# Allegro board HY_MWYT_3S12_V10A.brd (continued)
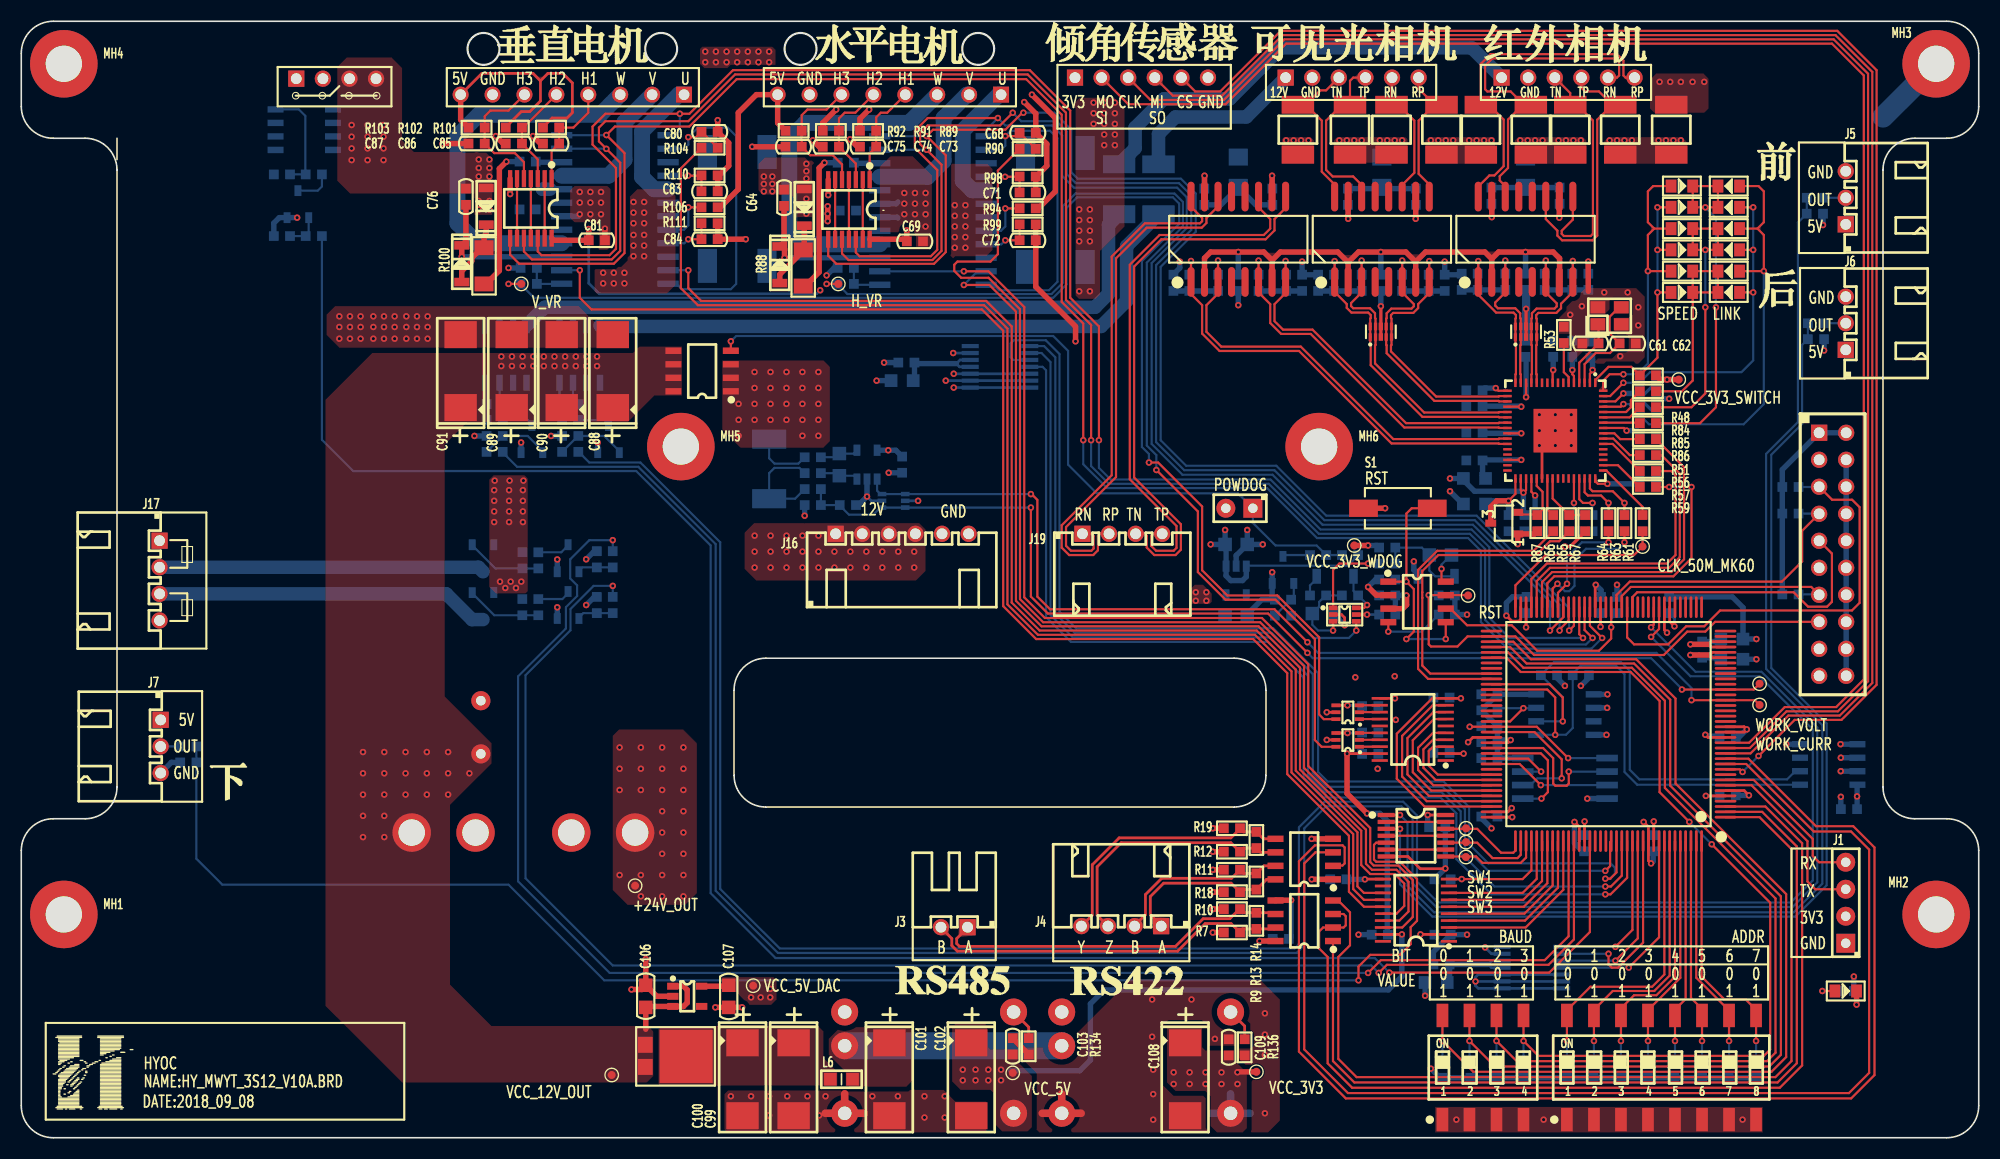
[diagram p0: board, top side]
## Routing (per net, layer and track width the routed paths; a pad name or vN(x,y) marks a point on that pad's centre or on a via; arc(x,y) is an arc through that point) (continued)
T_TXN: length 52.6
  TOP w0.203: T3.9 118.84,87.44 117.81,86.4 117.81,85.33 116.97,84.49 107.17,84.49 104.61,81.93 104.61,62.09 109,57.7 109,55.3 108.5,54.8 106.5,54.8 105.8,55.5 105.8,56.6 105.59,56.8 J19.3
T_TXP: length 51.3
  TOP w0.203: J19.4 106.41,56.8 106.2,56.6 106.2,55.67 106.67,55.21 108.33,55.21 108.59,55.47 108.59,57.53 104.2,61.93 104.2,82.1 107,84.9 116.8,84.9 117.4,85.5 117.4,86.4 116.31,87.5 T3.11
TXN1: length 15.1
  TOP w0.203: U15.12 142.45,71.78 142.4,71.83 142.4,74.52 142.45,74.56 U52.5 U52.6 142.45,77.03 142.4,77.08 142.4,77.37 142.61,77.57 144.3,77.57 144.74,78.01 144.74,78.44 145.84,79.55 T1.8 v1(145.84,82.45)
  BOTTOM w0.203: R62.2 145.84,81.31 v1(145.84,82.45)
TXN2: length 28.3
  TOP w0.203: v1(123.45,82.44) T2.1 123.45,79.55 124.59,78.41 124.59,78.04 125.03,77.6 126.61,77.6 126.85,77.37 126.85,77.08 126.8,77.03 U53.10 U53.1 126.8,74.56 126.85,74.52 126.85,72.65 131.7,67.8 138.87,67.8 138.91,67.75 U15.22
  BOTTOM w0.203: R68.2 123.45,81.22 v1(123.45,82.44)
TXN3: length 33.3
  TOP w0.203: U15.23 138.91,67.25 138.87,67.2 130.17,67.2 121.37,76 118.6,76 117.81,76.79 117.81,78.4 118.84,79.44 T3.8 v1(118.84,82.45)
  BOTTOM w0.203: R79.2 118.84,81.22 v1(118.84,82.45)
TXP1: length 15.2
  TOP w0.203: U15.13 141.95,71.78 142,71.83 142,74.52 141.95,74.56 U52.4 U52.7 141.95,77.03 142,77.08 142,77.54 142.44,77.98 144.13,77.98 144.33,78.18 144.33,78.47 143.31,79.5 T1.6 v1(143.31,82.5)
  BOTTOM w0.203: v1(143.31,82.5) 143.31,81.37 R58.2
TXP2: length 27.7
  TOP w0.203: U15.21 138.91,68.25 138.87,68.2 131.87,68.2 127.25,72.82 127.25,74.52 127.3,74.56 U53.2 U53.9 127.3,77.03 127.25,77.08 127.25,77.54 126.78,78.01 125.2,78.01 125,78.21 125,78.5 126,79.5 T2.3 v1(126,82.5)
  BOTTOM w0.203: v1(126,82.5) 126,81.17 R70.2
TXP3: length 34
  TOP w0.203: v1(116.31,82.5) T3.6 116.31,79.5 117.4,78.4 117.4,76.63 118.43,75.59 121.21,75.59 130,66.8 138.87,66.8 138.91,66.75 U15.24
  BOTTOM w0.203: v1(116.31,82.5) 116.31,81.17 R77.2
UART1_RD#: length 93.6
  TOP w0.203: U2.3 163.95,31.15 167.4,27.7 167.4,6.8 165.3,4.7 125.1,4.7 122.8,7 122.8,17 122,17.8 122,19.4 122.37,19.77 U8.2 124.3,19.77 124.5,19.97 124.5,20.84 124.3,21.04 U8.3
UART1_RX: length 84.9
  TOP w0.203: U2.2 163.64,30.65 166.9,27.39 166.9,7.01 165.09,5.2 125.31,5.2 123.3,7.21 U8.1
UART1_TX: length 87.6
  TOP w0.203: U8.4 123.79,22.31 124.9,21.2 124.9,18.1 123.8,17 123.8,7.41 125.51,5.7 164.89,5.7 166.4,7.21 166.4,27.15 163.4,30.15 U2.1
UART3_RX: length 15.4
  TOP w0.203: U2.8 162.85,33.65 168.4,28.1 168.4,26.5 168.99,25.91 J1.4
UART3_TX: length 17.6
  TOP w0.203: J1.3 168.63,23.37 167.9,24.1 167.9,27.89 162.64,33.15 U2.7
UART5_RX: length 121.3
  TOP w0.203: U9.2 123.33,25.6 124.2,25.6 124.4,25.8 124.4,27.3 124.2,27.5 121.6,27.5 120.1,26 120.1,8.1 124.5,3.7 172.01,3.7 174.2,5.89 174.2,27.3 172.2,29.3 168.7,29.3 162.35,35.65 U2.12
UART5_TX: length 114
  TOP w0.203: U2.11 162.14,35.15 168.49,28.8 172,28.8 173.7,27.1 173.7,6.1 171.8,4.2 124.71,4.2 120.6,8.31 120.6,25.79 121.65,26.84 U9.3
V_BRK: length 127.3
  TOP w0.203: U1.15 126.21,21.73 124.8,23.14 124.8,28.4 119,34.2 119,43.7 115.8,46.9 95.4,46.9 92.3,50 92.3,75.9 90.3,77.9 53.6,77.9 52.5,79 v1(52.5,81.58)
  BOTTOM w0.203: U21.14 v1(52.5,81.58)
V_DIAG: length 32.3
  TOP w0.203: R104.2 63.96,94.6 C80.1 63.44,94.1 v1(62.7,94.1)
  BOTTOM w0.203: U21.12 61.59,80.31 62.1,79.8 66.7,79.8 67.2,80.3 67.2,94.2 66.4,95 63.6,95 v1(62.7,94.1) 62.7,93.4 62.31,93.02 U21.2
V_EN: length 127.6
  TOP w0.203: R104.1 62,91.16 62,79.9 63.6,78.3 90.5,78.3 92.7,76.1 92.7,50.16 95.56,47.3 115.96,47.3 119.4,43.86 119.4,34.36 125.2,28.56 125.2,23.39 126.21,22.38 U1.14
V_ENCODER_CLK: length 101.8
  TOP w0.203: v1(148.9,23.63) 149.43,23.63 150.45,24.65 U2.129
  BOTTOM w0.203: v1(148.9,23.63) 138.47,23.63 135.3,26.8 135.3,30.7 133.5,32.5 122.55,32.5 120.95,34.1 120.95,43.45 117.35,47.05 98.85,47.05 96.75,49.15 96.75,72.95 95.9,73.8 U55.2
V_ENCODER_CSN: length 99.2
  TOP w0.203: U2.127 149.35,27.8 149.35,25.55 v1(148.9,25.1)
  BOTTOM w0.203: U55.1 96.15,74.45 97.2,73.4 97.2,49.3 99,47.5 117.5,47.5 121.4,43.6 121.4,34.3 122.7,33 133.6,33 135.7,30.9 135.7,27.3 137.9,25.1 v1(148.9,25.1)
V_ENCODER_MISO: length 108.3
  TOP w0.203: v1(148.9,24.36) 149.36,24.36 149.95,24.95 U2.128
  BOTTOM w0.203: U55.3 93.25,73.15 93,73.4 93,74.7 93.3,75 96.3,75 97.6,73.7 97.6,49.46 99.15,47.9 117.7,47.9 121.9,43.7 121.9,34.4 122.8,33.5 133.7,33.5 136.1,31.1 136.1,27.6 137.9,25.8 149.4,25.8 149.8,25.4 149.8,24.8 149.36,24.36 v1(148.9,24.36)
V_ENCODER_MOSI: length 102.4
  TOP w0.203: v1(148.9,22.89) 149.39,22.89 150.95,24.45 U2.130
  BOTTOM w0.203: v1(148.9,22.89) 138.21,22.89 134.9,26.2 134.9,30.5 133.4,32 122.43,32 120.53,33.9 120.53,43.27 117.17,46.63 98.67,46.63 96.33,48.97 96.33,72.17 96,72.5 U55.4
V_F/R: length 116.2
  TOP w0.203: U1.13 126.21,23.02 125.6,23.64 125.6,28.73 119.8,34.53 119.8,44.03 116.13,47.7 95.73,47.7 93.1,50.33 93.1,76.3 90.7,78.7 63.9,78.7 62.7,79.9 v1(62.7,81.58)
  BOTTOM w0.203: U21.11 v1(62.7,81.58)
V_H1: length 166.7
  TOP w0.203: U22.12 48.55,83.35 48.9,83 55.3,83 55.9,83.6 55.9,91.2 53.7,93.4 53.7,95.1 54.9,96.3 v1(61.9,96.3) 62.8,96.3 66.9,100.4 94.8,100.4 98.6,96.6 98.6,79 101.3,76.3 v1(101.3,65.6) ; U2.60 146.45,47.35 v1(146.8,47)
  BOTTOM w0.203: U21.1 61.48,94.28 61.9,94.7 v1(61.9,96.3) ; v1(146.8,47) 139.9,47 138,48.9 138,55.53 136.33,57.2 122.13,57.2 117.43,61.9 102.4,61.9 101.3,63 v1(101.3,65.6)
V_H2: length 170.7
  TOP w0.203: v1(100.56,65.6) 100.56,76.44 98.2,78.8 98.2,96.4 94.6,100 67.1,100 62.7,95.6 54.9,95.6 54.3,95 54.3,93.7 v1(55,93) 56.3,91.7 56.3,83.4 55.5,82.6 48,82.6 47.25,83.35 U22.10 ; v1(147.7,47) 146.95,47.75 U2.59
  BOTTOM w0.203: v1(147.7,47) 147.09,46.39 139.91,46.39 137.6,48.7 137.6,55.37 136.17,56.8 121.97,56.8 117.27,61.5 102.23,61.5 100.56,63.17 v1(100.56,65.6) ; U21.23 54.88,93.02 54.9,93 v1(55,93)
V_H3: length 172.8
  TOP w0.203: v1(148.6,47) 147.45,48.15 U2.58 ; v1(99.83,65.6) 99.83,76.57 97.8,78.6 97.8,96.22 94.46,99.55 67.25,99.55 62.8,95.1 55.8,95.1 v1(55,94.3) 56.7,92.6 56.7,83.2 55.7,82.2 46.8,82.2 45.95,83.05 U22.8
  BOTTOM w0.203: v1(99.83,65.6) 99.83,63.34 102.07,61.1 117.1,61.1 121.8,56.4 136,56.4 137.2,55.2 137.2,48.5 139.7,46 147.6,46 v1(148.6,47) ; v1(55,94.3) 54.98,94.28 U21.24
V_MOTOR_U: length 12.6
  BOTTOM w1.5: J15.1 61.8,98.1 58.35,94.65 58.35,90.35 59.49,89.2 U21.5
V_MOTOR_V: length 13.7
  BOTTOM w1.5: J15.2 56.7,95.5 56.7,91.97 55.2,90.47 U21.21
V_MOTOR_W: length 35.7
  BOTTOM w1.5: J15.3 54.4,96.2 43,96.2 41,94.2 41,86 42.88,84.12 U21.16
V_VR: length 134.6
  TOP w0.203: U5.6 122.44,39.37 122,39.8 122,47.07 118.07,51 113.37,51 111,53.37 111,59.37 106.87,63.5 v1(106,63.5) ; v1(45.8,80.3) TP2.1
  BOTTOM w0.203: v1(45.8,80.3) R108.1 46.94,80.26 48.21,78.99 96.99,78.99 98.26,80.25 98.26,87.45 99.25,88.44 108.25,88.44 108.84,87.86 108.84,85.94 105.34,82.44 105.34,64.96 106,64.3 v1(106,63.5)
VERT_H1: length 10.1
  TOP w0.203: U22.1 49.85,92.79 C85.1 R101.2 51.9,95 53.3,96.4 J15.4
VERT_H2: length 9.9
  TOP w0.203: J15.5 47.2,95 R102.2 C86.1 48.55,92.01 U22.3
VERT_H3: length 13.1
  TOP w0.203: J15.6 45.8,96.6 44.1,96.6 43.56,96.06 R103.2 C87.1 44.46,92.6 46.4,92.6 47.25,91.75 U22.5
W25B_CLK: length 13.4
  TOP w0.203: v1(144.8,33.8) 144.8,35.59 142.24,38.15 U2.92
  BOTTOM w0.203: U7.6 141.87,33.16 142.5,33.8 v1(144.8,33.8)
W25B_CS#: length 15.2
  TOP w0.203: v1(136.15,38.65) U2.91 142.46,38.65 v1(145.41,35.7)
  BOTTOM w0.203: R8.2 137.19,38.65 v1(136.15,38.65) ; U7.1 v1(145.41,35.7)
W25B_DI: length 11.2
  TOP w0.203: U2.96 142.84,36.15 143.5,35.49 143.5,32.5 v1(142.9,31.89)
  BOTTOM w0.203: 141.14,31.89 v1(142.9,31.89)
W25B_DO: length 15
  TOP w0.203: U2.95 143.05,36.65 144,35.7 144,33.3 144.2,33.1 145.26,33.1 145.47,33.3 v1(145.47,34.44)
  BOTTOM w0.203: 149.06,34.44 v1(145.47,34.44)
W25B_HOLD#: length 6.9
  TOP w0.203: U2.97 141.65,35.65 v1(142.87,34.44)
  BOTTOM w0.203: 141.14,34.44 v1(142.87,34.44)
W25B_WP#: length 11.7
  TOP w0.203: U2.98 140.85,35.15 v1(142.84,33.16)
  BOTTOM w0.203: U7.3 v1(142.84,33.16)
WDI_INPUT_A: length 22.2
  TOP w0.203: U2.54 v1(149.45,48) 149.45,46.95 148.3,45.8 142.5,45.8 140.1,48.2 135.9,48.2 134.34,49.76 U12.6
  BOTTOM w0.203: v1(149.45,48) 149.45,48.79 R22.2
WORK_CURR: length 98.4
  TOP w0.203: v1(120.9,46.6) 117.8,49.7 96.7,49.7 95.51,50.89 95.51,59.99 94.97,60.53 v1(94.9,60.53) ; v1(157,41.15) U2.23 162.95,41.15 TP9.1
  BOTTOM w0.203: v1(120.9,46.6) 121.9,45.6 153.7,45.6 157,42.3 v1(157,41.15) ; v1(94.9,60.53) U24.4 U24.3 80.77,60.53 80.45,60.85 U23.1
WORK_VOLT: length 102.7
  TOP w0.203: v1(94.9,59.27) 94.9,50.9 96.5,49.3 117.2,49.3 v1(120.9,45.6) ; v1(156.1,42.15) U2.25 162.85,42.15 TP10.1
  BOTTOM w0.203: v1(156.1,42.15) 156.1,42.2 153.2,45.1 121.4,45.1 v1(120.9,45.6) ; R119.1 R124.2 C94.1 76.94,59.46 77.8,58.6 80.1,58.6 80.77,59.27 U24.1 U24.6 v1(94.9,59.27)
XTAL_IN: length 10.2
  TOP w0.203: U15.3 146.95,72.75 148,73.8 149.34,73.8 C62.2 149.3,75.64 149.3,77.2 150.2,78.1 X1.3
XTAL_OUT: length 6.3
  TOP w0.203: U15.4 146.45,72.89 C61.2 148.26,76.44 X1.1
N11711860: length 20.4
  BOTTOM w2.54: U26.2 U48.2
N11712694: length 2.6
  TOP w0.203: v1(169.3,13.8) D22.1
  BOTTOM w0.203: R135.1 v1(169.3,13.8)
N11722110: length 3.8
  BOTTOM w0.203: Q2.1 119.62,50.85 R33.2 119.34,50.6 R31.2
N11722176: length 7.8
  TOP w0.203: v1(123.31,47.7) 123.31,48.56
  BOTTOM w0.203: R35.2 R30.2 122.6,51 122,50.4 122,49.94 C28.1 121.36,48.24 121.9,47.7 v1(123.31,47.7)
N11722192: length 4.3
  TOP w0.203: U13.6 126.23,49.84 v1(126.5,50.1)
  BOTTOM w0.203: 125.23,52.8 125.23,51.44 R35.1 126.5,50.16 v1(126.5,50.1)
N11722284: length 9
  BOTTOM w0.203: R26.2 R27.2 131.66,55.5 C25.2 132.36,53.34 132.9,52.8 D1.1
N11722392: length 74.1
  TOP w0.203: Q1.4 v1(66.7,74.9)
  BOTTOM w0.203: R25.2 R28.1 121.76,55.7 117.9,55.7 115.77,57.83 J8.1 114.37,60.6 101.1,60.6 98.4,63.3 98.4,74 97,75.4 67.2,75.4 v1(66.7,74.9)
N11722646: length 8.1
  TOP w0.203: v1(126.6,54) 123.9,54 123.31,53.41 U13.1
  BOTTOM w0.203: v1(126.6,54) R26.1
N11722728: length 23.1
  TOP w0.203: v1(130.2,52.3) 130.2,58.7 130.7,59.2 S1.2 ; v1(130.2,52.3) U12.1 ; v1(130.2,52.3) 130.9,51.6 130.9,47.6 v1(130.2,46.9) ; U12.5 v1(133.9,46.9)
  BOTTOM w0.203: R23.2 129.36,52.3 v1(130.2,52.3) ; v1(133.9,46.9) v1(130.2,46.9)
N11767334: length 2.1
  BOTTOM w0.203: R30.1 121.14,51.94 121.77,52.57 D2.2
N11931140: length 7.8
  BOTTOM w0.508: R74.2 112.76,87.74 C46.2 116.04,87.74 R78.2
N11931232: length 6.4
  BOTTOM w0.508: R55.2 141.38,89.36 C36.2 141.42,89.36 R60.2
N11931330: length 3.3
  TOP w0.508: T1.10 v1(144.57,86.53)
  BOTTOM w0.508: R60.1 144.57,87.81 v1(144.57,86.53)
N11931334: length 3.2
  TOP w0.508: T1.15 v1(138.22,86.58)
  BOTTOM w0.508: v1(138.22,86.58) 138.22,87.81 R55.1
N11931416: length 6.5
  BOTTOM w0.508: R73.2 128.02,89.26 C42.2 127.78,89.26 R69.2
N11931578: length 3.4
  TOP w0.508: T2.10 v1(131.07,86.42)
  BOTTOM w0.508: R73.1 131.07,87.71 v1(131.07,86.42)
N11931582: length 3.4
  TOP w0.508: 124.72,88.51 v1(124.72,86.42)
  BOTTOM w0.508: v1(124.72,86.42) 124.72,87.71 R69.1
N11932264: length 3.2
  TOP w0.508: T3.10 v1(117.58,90.47)
  BOTTOM w0.508: R78.1 117.58,89.29 v1(117.58,90.47)
N11932268: length 3.2
  TOP w0.508: 111.22,88.51 v1(111.22,90.47)
  BOTTOM w0.508: R74.1 111.22,89.29 v1(111.22,90.47)
N12115512: length 8.2
  TOP w0.203: v1(125.49,47.7) 125.49,48.56
  BOTTOM w0.203: v1(125.49,47.7) 124.79,47 121.46,47 R31.1
N16627096: length 3.1
  TOP w0.254: U26.4 94.7,10.4 R134.2
N16779903: length 6.3
  TOP w0.203: U12.4 v1(128.5,47.6)
  BOTTOM w0.203: v1(128.5,47.6) 131.64,47.6 R24.2
N16910912: length 3.9
  TOP w0.203: R53.2 145,72 145.45,71.55 U15.6
N16915241: length 4.1
  BOTTOM w0.508: C32.1 R50.1 R52.1
N16915682: length 4.1
  BOTTOM w0.508: C33.1 R62.1 R58.1
N16919612: length 4.1
  BOTTOM w0.508: C37.1 R68.1 R70.1
N16919861: length 4
  BOTTOM w0.508: R71.1 R75.1 C38.1
N16921046: length 4.2
  BOTTOM w0.508: R76.1 R72.1 C39.1
N16921083: length 4.1
  BOTTOM w0.508: C43.1 R79.1 R77.1
N16962540: length 20.9
  TOP w0.203: D8.2 157.12,71.22 156.1,70.2 R84.2 ; D8.2 D7.2 D13.2 D14.2 D8.2 ; D8.2 157.1,79.48
N16962542: length 27.4
  TOP w0.203: v1(158.3,78.1) 158.3,70 157,68.7 R85.2 ; D11.2 D5.2 D6.2 v1(158.3,83.5) D12.2 D11.2
  BOTTOM w0.203: v1(158.3,78.1) v1(158.3,83.5)
N16962544: length 34.2
  TOP w0.203: R86.2 157.8,67.2 159.3,68.7 v1(159.3,78.1) ; D9.2 D3.2 D4.2 v1(158.3,87.5) D10.2 D9.2
  BOTTOM w0.203: v1(158.3,87.5) 159.3,86.5 v1(159.3,78.1)
N16985345: length 3.7
  BOTTOM w0.203: U23.4 78.24,64.34 C93.2 76.56,64 R115.1
N16985349: length 3.6
  BOTTOM w0.203: U23.3 78.24,62.26 C93.1 76.66,62.5 R114.1
N17031352: length 1.9
  TOP w0.203: U4.1 125.79,36.77 U3.18
N17031354: length 1.9
  TOP w0.203: U4.2 125.79,37.42 U3.17
N17031356: length 1.9
  TOP w0.203: U4.3 125.79,38.08 127.7,38.08
N17031358: length 1.9
  TOP w0.203: U5.1 125.79,39.38 U3.14
N17031360: length 1.9
  TOP w0.203: U5.2 125.79,40.02 U3.13
N17031362: length 1.9
  TOP w0.203: U5.3 125.79,40.67 U3.12
N17036272: length 117.7
  TOP w0.203: U14.1 v1(129.6,30.35)
  BOTTOM w0.203: v1(129.6,30.35) 130.3,29.65 130.3,23.7 132.8,21.2 166.6,21.2 169.3,23.9 169.3,38.8 164.02,44.08 164.02,64.32 167,67.3 167,86.06 C29.1 R29.2
N17036274: length 105.5
  TOP w0.203: U14.3 v1(129.6,29.05)
  BOTTOM w0.203: v1(129.6,29.05) 129.6,23.83 132.63,20.8 166.77,20.8 169.7,23.73 169.7,38.97 164.5,44.17 164.5,64.23 167.4,67.13 167.4,74.56 C30.1 R32.2
N17036284: length 145.4
  TOP w0.203: v1(125.7,14.8) 125.7,16.1 126.8,17.2 129.6,17.2 130.6,18.2 130.6,19.8 131.2,20.4 131.2,24.33 129.58,25.96 127.36,25.96 127.16,26.16 127.16,27.55 127.36,27.75 U14.5
  BOTTOM w0.203: v1(125.7,14.8) 54.8,14.8 45.8,23.8 18.9,23.8 16.46,26.24 C31.1 R34.2
N17036342: length 5.6
  TOP w0.203: U14.13 U14.2
N17036352: length 5.6
  TOP w0.203: U14.4 U14.11
N17036362: length 5.6
  TOP w0.203: U14.9 U14.6
N17099824: length 3.4
  BOTTOM w0.203: R129.1 R131.2 52.74,53.64 52.42,53.32 Q13.1
N17100065: length 7.2
  BOTTOM w0.203: R127.2 R125.1 44.56,53.54 42.38,55.72 Q7.1
N17100313: length 3.4
  BOTTOM w0.203: R130.1 R132.2 52.84,49.34 52.42,48.92 Q14.1
N17100347: length 7.1
  BOTTOM w0.203: Q8.1 42.38,51.22 44.46,49.14 R126.1 R128.2
N17116006: length 4.6
  TOP w0.203: C71.1 R98.1 93.81,90.38 v1(92.47,90.38)
  BOTTOM w0.203: U19.4 v1(92.47,90.38)
N17116022: length 4.8
  TOP w0.203: v1(92.5,84.4) C72.1 R99.1
  BOTTOM w0.203: U19.9 92.12,84.03 v1(92.5,84.4)
N17116036: length 14.3
  TOP w0.508: v1(71.75,82.75) 71.75,83.57 71.49,83.83 D15.2 71.7,84.23 C64.1
  BOTTOM w0.508: U19.15 v1(71.75,82.75)
N17116160: length 6.4
  TOP w0.508: D15.1 71.3,81.2 73.5,83.4 R88.2 73.6,83.6 D16.2
N17116166: length 2.5
  BOTTOM w0.508: C67.2 78.32,91.64 80.7,91.64
N17116214: length 5
  TOP w0.203: v1(92.5,87.4) R94.2
  BOTTOM w0.203: v1(92.5,87.4) 92.5,85.7 92.09,85.3 U19.8
N17116366: length 4
  BOTTOM w0.203: U19.13 78.35,80.22 R96.2 C70.1
N17116407: length 5.6
  TOP w0.203: U20.13 U20.2
N17116421: length 5.6
  TOP w0.203: U20.11 U20.4
N17116431: length 5.6
  TOP w0.203: U20.9 U20.6
N17123231: length 4.6
  TOP w0.203: C83.1 R110.1 63.91,90.47 v1(62.67,90.47)
  BOTTOM w0.203: U21.4 v1(62.67,90.47)
N17123235: length 4.8
  TOP w0.203: R111.1 C84.1 v1(62.7,84.5)
  BOTTOM w0.203: U21.9 62.33,84.12 v1(62.7,84.5)
N17123241: length 14.4
  TOP w0.508: v1(41.4,82.86) 41.4,83.93 41.8,84.33 C76.1
  BOTTOM w0.508: 50.8,82.86 v1(41.4,82.86)
N17123333: length 6.5
  TOP w0.508: D18.2 43.7,84.98 43.5,84.78 R100.2 43.31,83.7 42.34,82.73 42.34,82.44 41.4,81.5 D17.1
N17123339: length 2.5
  BOTTOM w0.508: C79.2 48.42,91.75 U21.22
N17123383: length 5
  TOP w0.203: v1(62.7,87.5) R106.2
  BOTTOM w0.203: U21.8 62.3,85.39 62.7,85.8 v1(62.7,87.5)
N17123476: length 3.8
  BOTTOM w0.203: U21.13 50.78,80.3 R108.2 C82.1
N17123541: length 5.6
  TOP w0.203: U22.13 U22.2
N17123555: length 5.6
  TOP w0.203: U22.11 U22.4
N17123565: length 5.6
  TOP w0.203: U22.9 U22.6
N17144203: length 3.1
  BOTTOM w0.203: Q13.3 51.4,55.7 50.76,55.06 R127.1
N17144234: length 3.2
  BOTTOM w0.203: R128.1 50.86,50.66 51.4,51.2 Q14.3
N17149648: length 2.6
  BOTTOM w0.203: R28.2 118.73,54.8 Q2.3
N17182830: length 3.1
  TOP w0.254: U48.4 115,10.5 R136.2
N17192056: length 10
  BOTTOM w0.203: Q12.4 26.09,96.71 26.7,96.1 26.7,90.64 R140.1 R139.2
N17192076: length 3.6
  BOTTOM w0.203: R140.2 28.26,89.46 27.87,89.07 Q11.3
N17192110: length 3.3
  BOTTOM w0.203: Q11.1 27.02,85.08 R141.2 R137.2
N17193783: length 59.9
  BOTTOM w1.27: Q3.8 54.5,76.3 101.5,76.3 103.9,78.7 103.9,83.85 F1.1
N17193809: length 63.8
  BOTTOM w1.27: F2.1 102.2,85.85 102.2,79.37 100.93,78.1 49.2,78.1 Q4.8
N17193901: length 3.6
  BOTTOM w0.203: R116.2 R112.1 50.84,69.19 50.59,69.43 Q3.4
N17193907: length 3.5
  BOTTOM w0.203: R117.2 R113.1 43.69,69.05 Q4.4
N17193973: length 3.1
  BOTTOM w0.203: R116.1 54.8,67.5 55.2,67.1 Q5.3
N17193975: length 3
  BOTTOM w0.203: Q6.3 48,67.1 47.6,67.5 R117.1
N17194039: length 6.7
  BOTTOM w0.203: R120.1 52.34,66 R122.2 54.8,66 56.22,64.58 Q5.1
N17194047: length 6.6
  BOTTOM w0.203: R121.1 45.24,66 R123.2 47.6,66 49.02,64.58 Q6.1
N17210525: length 8.3
  BOTTOM w0.254: U54.12 138.25,16.65 137.9,16.3 138.2,16 U54.11
  BOTTOM w0.508: 137.9,16.3 C110.2 134.26,14.82 L8.1
N17212104: length 8.6
  BOTTOM w0.254: U55.11 88.2,72.5 87.9,72.8 88.25,73.15 U55.12
  BOTTOM w0.508: L9.1 83.96,71.32 C111.2 84.06,72.8 87.9,72.8
N171161460: length 13.8
  TOP w0.508: v1(75.5,91.7) 75,91.2 75,81.41 73.69,80.1 R88.1
  BOTTOM w0.508: C67.1 v1(75.5,91.7)
N171233290: length 13.7
  TOP w0.508: v1(45.6,91.8) 44.94,91.14 44.94,81.55 43.69,80.3 R100.1
  BOTTOM w0.508: C79.1 v1(45.6,91.8)

## Copper pours and planes (outline as drawn; the poured copper is in the pictures)
+24V_OUT on TOP: 55.6,37.8 55.6,23.3 57,21.9 62.4,21.9 63.5,23 63.5,37.1 62.2,38.4 56.2,38.4
+24V_OUT on TOP: 44.4,62.3 47.3,62.3 47.6,62 47.6,51.4 47.4,51.2 44.6,51.2 44,51.8 44,61.9
+24V_OUT on BOTTOM: 57,21.9 62,21.9 63.1,23 63.1,56.5 57.3,62.3 26.3,62.3 22.9,65.7 22.9,88.6 24.2,89.9 24.2,91.5 24.9,92.2 24.9,95.8 22.7,95.8 22.3,96.2 22.3,97.8 22.5,98 28.4,98 29.1,98.7 29.1,101 28.5,101.6 19.7,101.6 17.8,99.7 17.8,63.1 23.3,57.6 43.5,57.6 44,57.1 44,55.2 44.6,54.6 47.6,54.6 47.6,57.1 48.1,57.6 52.8,57.6 55.6,54.8 55.6,23.3
+24V_OUT on BOTTOM: 44,50.7 44,52.3 44.6,52.9 47.2,52.9 47.5,52.6 47.5,50.2 44.5,50.2
GND on TOP: 85.6,83.8 85.6,90.5 83.8,92.3 81.7,92.3 80.7,91.3 80.7,84.7 81.6,83.8
GND on TOP: 66.5,4.5 86.7,4.5 87.8,3.4 90.7,3.4 90.7,0.5 66.4,0.5 66.1,0.8 66.1,4.1
GND on TOP: 153.5,96.4 158.2,96.4 158.6,96.8 158.6,99.6 158.1,100.1 153.7,100.1 153.1,99.5 153.1,96.8
GND on TOP: 94.4,8.5 97.9,8.5 104.3,14.9 116.4,14.9 118.3,13 118.3,1.6 117.2,0.5 95.7,0.5 95.4,0.8 95.4,6.1 94.2,7.3 94.2,8.3
GND on TOP: 99.5,97.8 103.1,97.8 103.7,97.2 103.7,85.7 101.4,83.4 101.4,79.3 101,78.9 99.3,78.9 98.9,79.3 98.9,97.2
GND on TOP: 144.55,73.45 144.55,77.45 147,79.9 151.8,79.9 152.6,79.1 152.6,73.4 152,72.8 145.2,72.8
GND on TOP: 57.1,74.3 29.9,74.3 28.7,75.5 28.7,77.4 29.5,78.2 52.4,78.2 53.9,76.7 57.1,76.7
GND on TOP: 54.1,79.4 60.7,79.4 61.6,80.3 61.6,88.5 60.9,89.2 57.9,89.2 57,88.3 57,82.5 56.4,81.9 54.2,81.9 53.9,81.6 53.9,79.6
GND on TOP: 64,102.6 70.6,102.6 70.9,102.3 70.9,100.9 70.6,100.6 64.2,100.6 63.8,101 63.8,102.4
GND on TOP: 87.5,91.6 90.8,91.6 91.3,91.1 91.3,83.5 90.5,82.7 87.6,82.7 87.1,83.2 87.1,91.2
GND on TOP: 132.9,2.9 132.9,0.5 163.7,0.5 163.7,2.9
GND on TOP: 52,89.5 55.1,89.5 55.5,89.1 55.5,83.8 55,83.3 54.5,83.3 54.3,83.5 54.3,85.7 53.9,86.1 52,86.1 51.6,86.5 51.6,89.1
GND on BOTTOM: 137.1,44 123.8,44 122.4,42.6 122.4,35.3 123.6,34.1 137.2,34.1 137.7,34.6 137.7,43.4
GND on BOTTOM: 29.5,78.2 38.7,78.2 39.1,77.8 39.1,74.5 38.9,74.3 29.6,74.3 28.9,75 28.9,77.6
GND on BOTTOM: 47.9,87.8 49.3,87.8 49.8,88.3 50.6,88.3 51.9,89.6 57.8,89.6 59.1,88.3 61.8,88.3 61.9,88.2 61.9,85.9 59.2,85.9 59.1,85.8 59.1,80.3 58.6,79.8 54.6,79.8 52.1,82.3 52.1,86.3 51.8,86.6 48.1,86.6 47.9,86.8
GND on BOTTOM: 99.1,91 103.6,91 105.1,92.5 105.1,96.7 104,97.8 99.7,97.8 99.1,97.2
GND on BOTTOM: 137.5,75.7 150.4,75.7 151.9,74.2 151.9,69 154.6,66.3 154.6,57.5 153.7,56.6 142.7,56.6 142.7,56.5 141.5,55.3 140.4,55.3 135.2,60.5 135.2,73.4
GND on BOTTOM: 99.6,88 100.9,88 101.4,87.5 101.4,79.8 100.6,79 99.4,79 98.7,79.7 98.7,87.1
GND on BOTTOM: 68.1,79.6 70.6,79.6 71,80 71,87 69.4,88.6 69.4,90.7 69.7,91 71,91 71,102 70.4,102.6 64,102.6 63.5,102.1 63.5,98.8 67.5,94.8 67.5,80.2
GND on BOTTOM: 78,87.7 79.2,87.7 79.7,88.2 81.9,88.2 83.1,89.4 87.7,89.4 88.9,88.2 91.6,88.2 91.7,88.1 91.7,86.2 89.3,86.2 89.1,86 89.1,82.7 88.4,82 82.8,82 82.3,82.5 82.3,85.9 81.9,86.3 79.6,86.3 79.2,86.7 78,86.7
GND on L02-GND: 14.4,103.1 171.5,103.1 174.3,100.3 174.3,3.3 171.5,0.5 17.2,0.5 10.6,7.1 10.6,99.3 ; 39 cut-outs
GND_EARTH on TOP: 140.4,91.6 140.4,93.8 140.7,94.1 146.8,94.1 147.1,93.8 147.1,91.6
GND_EARTH on TOP: 121.5,91.6 121.5,93.8 121.2,94.1 118.7,94.1 118.5,93.9 118.5,91.6
GND_EARTH on TOP: 148.8,91.6 148.8,93.7 149.2,94.1 156.1,94.1 156.6,93.6 156.6,91.6
GND_EARTH on TOP: 123.4,91.7 123.4,93.8 123.7,94.1 130.1,94.1 130.3,93.9 130.3,91.7
GND_EARTH on TOP: 132,91.6 132,93.8 132.3,94.1 138.4,94.1 138.7,93.8 138.7,91.6
GND_EARTH on BOTTOM: 113.4,91.5 113.4,93.7 113.8,94.1 154.5,94.1 159,98.6 176.6,98.6 177.2,98 177.2,96.8 175.15,94.75 161.25,94.75 157.7,91.2 113.7,91.2
VCC_3.3V on TOP: 107.7,10.3 107.7,5.2 108.5,4.4 111.3,4.4 111.8,3.9 111.8,1.1 112.4,0.5 114.8,0.5 115.2,0.9 115.2,6.1 114,7.3 114,8.2 111.3,8.2 111,8.5 111,10.4 110.8,10.6 108,10.6
VCC_3.3V on BOTTOM: 108.1,7.3 114.5,7.3 116.3,5.5 116.3,1.8 115.9,1.4 108.2,1.4 107.4,2.2 107.4,6.6
VCC_3.3V on L03-VCC: 77.1,49.4 77.1,91.6 78.7,93.2 93.8,93.2 98,97.4 98,97.7 98.5,98.2 99.3,98.2 100.2,97.3 100.2,89.2 107.8,81.6 166.6,81.6 167.5,80.7 167.5,72.7 169.3,70.9 173.4,70.9 174.1,70.2 174.1,3.2 171.5,0.6 105.7,0.6 104.1,2.2 104.1,45 103.2,45.9 80.6,45.9 ; 15 cut-outs
VCC_3.3V_SWITCH on L03-VCC: 139.4,60.6 140.3,60.6 142,58.9 142.7,58.9 144.7,60.9 147.1,60.9 149,62.8 149,64.8 149.6,65.4 151.5,65.4 152,65.9 152,67.5 151.6,67.9 149.7,67.9 149.1,68.5 149.1,72.6 149.6,73.1 154.8,73.1 155.9,72 155.9,56.3 154.2,54.6 141,54.6 138.9,56.7 138.9,60.1
VCC_3.3V_WDOG on TOP: 110.3,52 111.3,52 111.9,51.4 111.9,50.4 111.5,50 110.2,50 109.8,50.4 109.8,51.5
VCC_3.3V_WDOG on BOTTOM: 113.6,51.6 110,51.6 109.5,51.1 109.5,48.8 109.9,48.4 113.8,48.4 113.8,51.4
VCC_3.3V_WDOG on L03-VCC: 110.1,50.1 119.3,50.1 124,54.8 129.8,54.8 130.5,54.1 130.5,50.3 130,49.8 125.8,49.8 125.6,49.6 125.6,48.8 125.9,48.5 131.2,48.5 131.9,49.2 131.9,55.4 131.1,56.2 123.4,56.2 118.9,51.7 110.2,51.7 109.9,51.4 109.9,50.3
VCC_5V on TOP: 87.5,10.4 87.5,5.3 88.3,4.5 91.1,4.5 91.6,4 91.6,1.2 92.2,0.6 94.6,0.6 95,1 95,5.8 93.7,7.1 93.7,8.3 91.1,8.3 90.8,8.6 90.8,10.5 90.6,10.7 87.8,10.7
VCC_5V on BOTTOM: 88.2,6.7 94.2,6.7 94.5,6.4 94.5,6 93.4,4.9 88.3,4.9 87.8,5.4 87.8,6.3
VCC_5V on L03-VCC: 94.9,0.8 17,0.8 10.6,7.2 10.6,99.3 14.4,103.1 115.5,103.1 117.5,101.1 117.5,92.7 120.3,89.9 169.9,89.9 174,85.8 174,73.1 172.8,71.9 169.8,71.9 168.7,73 168.7,80.5 162.2,87 114,87 112.7,88.3 112.7,99.9 111.8,100.8 98.4,100.8 97.7,100.1 97.7,98.1 93.8,94.2 38.4,94.2 36.3,96.3 28.3,96.3 26.2,94.2 18.9,94.2 16,91.3 16,9.8 18.7,7.1 94,7.1 95.4,5.7 95.4,1.3
VCC_5V_DAC on TOP: 65.9,15.1 70.7,15.1 71,14.8 71,13 70.5,12.5 68.4,12.5 67.2,13.7 65.9,13.7
VCC_5V_DAC on L03-VCC: 68.2,13 68.2,14.4 71.4,17.6 120,17.6 121.7,19.3 121.7,23.5 122.1,23.9 122.1,24.6 121.7,25 121.7,40.8 122.7,41.8 125.3,41.8 125.7,41.4 125.7,37.5 125.3,37.1 124.3,37.1 123.9,36.7 123.9,17.6 121.8,15.5 74.2,15.5 71.3,12.6 68.6,12.6
VCC_12V on TOP: 68.9,57.8 84.4,57.8 85,57.2 85,53.3 84.1,52.4 69.1,52.4 68,53.5 68,56.9
VCC_12V on BOTTOM: 69,52.4 84.1,52.4 85,53.3 85,57.2 84.4,57.8 72.7,57.8 72,58.5 72,61.1 68.6,61.1 67.9,60.4 67.9,53.5
VCC_12V_IN on TOP: 65.9,73.1 75.4,73.1 76,72.5 76,65.5 75.4,64.9 67.6,64.9 65.9,66.6
VCC_12V_IN on BOTTOM: 75.3,64.8 67.2,64.8 66.4,65.6 66.4,73.5 67.6,74.7 74.9,74.7 76,73.6 76,65.5
VCC_12V_IN on L03-VCC: 67.6,72.5 75.2,72.5 75.7,72 75.7,67.8 76.5,67 96.2,67 102.5,60.7 110.6,60.7 113.7,57.6 113.7,55.4 113.3,55 110.9,55 107.7,58.2 101.6,58.2 94.5,65.3 67.3,65.3 66.5,66.1 66.5,71.4
VCC_12V_OUT on TOP: 58.1,74.4 62.1,74.4 62.1,69.8 59.5,69.8 57,67.3 41.9,67.3 39.8,65.2 39.8,41.5 44.2,37.1 44.2,35.2 40.3,31.3 40.3,14.4 44.2,10.5 58.9,10.5 59.4,10 59.4,5.8 58.8,5.2 35.8,5.2 28.6,12.4 28.6,69.4 33,73.8 57.5,73.8
VCC_12V_OUT on BOTTOM: 44.5,70.3 44.5,73.5 44.9,73.9 54.9,73.9 55.1,73.7 55.1,70.5 54.8,70.2 44.6,70.2
VCC_12V_OUT on BOTTOM: 44.5,38 32.3,38 31.1,36.8 31.1,27.1 32.1,26.1 39.1,26.1 39.9,26.9 39.9,31.5 42.1,33.7 44.3,33.7 44.9,34.3 44.9,37.6
VCC_24V_MOTOR on TOP: 69.9,92.2 74,92.2 74.6,91.6 74.6,86.6 74.3,86.3 73,86.3 72.7,86.6 72.7,88.3 72.3,88.7 69.7,88.7 69.3,89.1 69.3,91.6
VCC_24V_MOTOR on TOP: 30.6,101.6 34.8,101.6 35.8,100.6 35.8,93.8 36.9,92.7 43.9,92.7 44.3,92.3 44.3,86.8 42.6,86.8 42.6,88.8 30.9,88.8 29.7,90 29.7,100.7
